# KiCad board ddr4-datacenter-tester.kicad_pcb (continued)
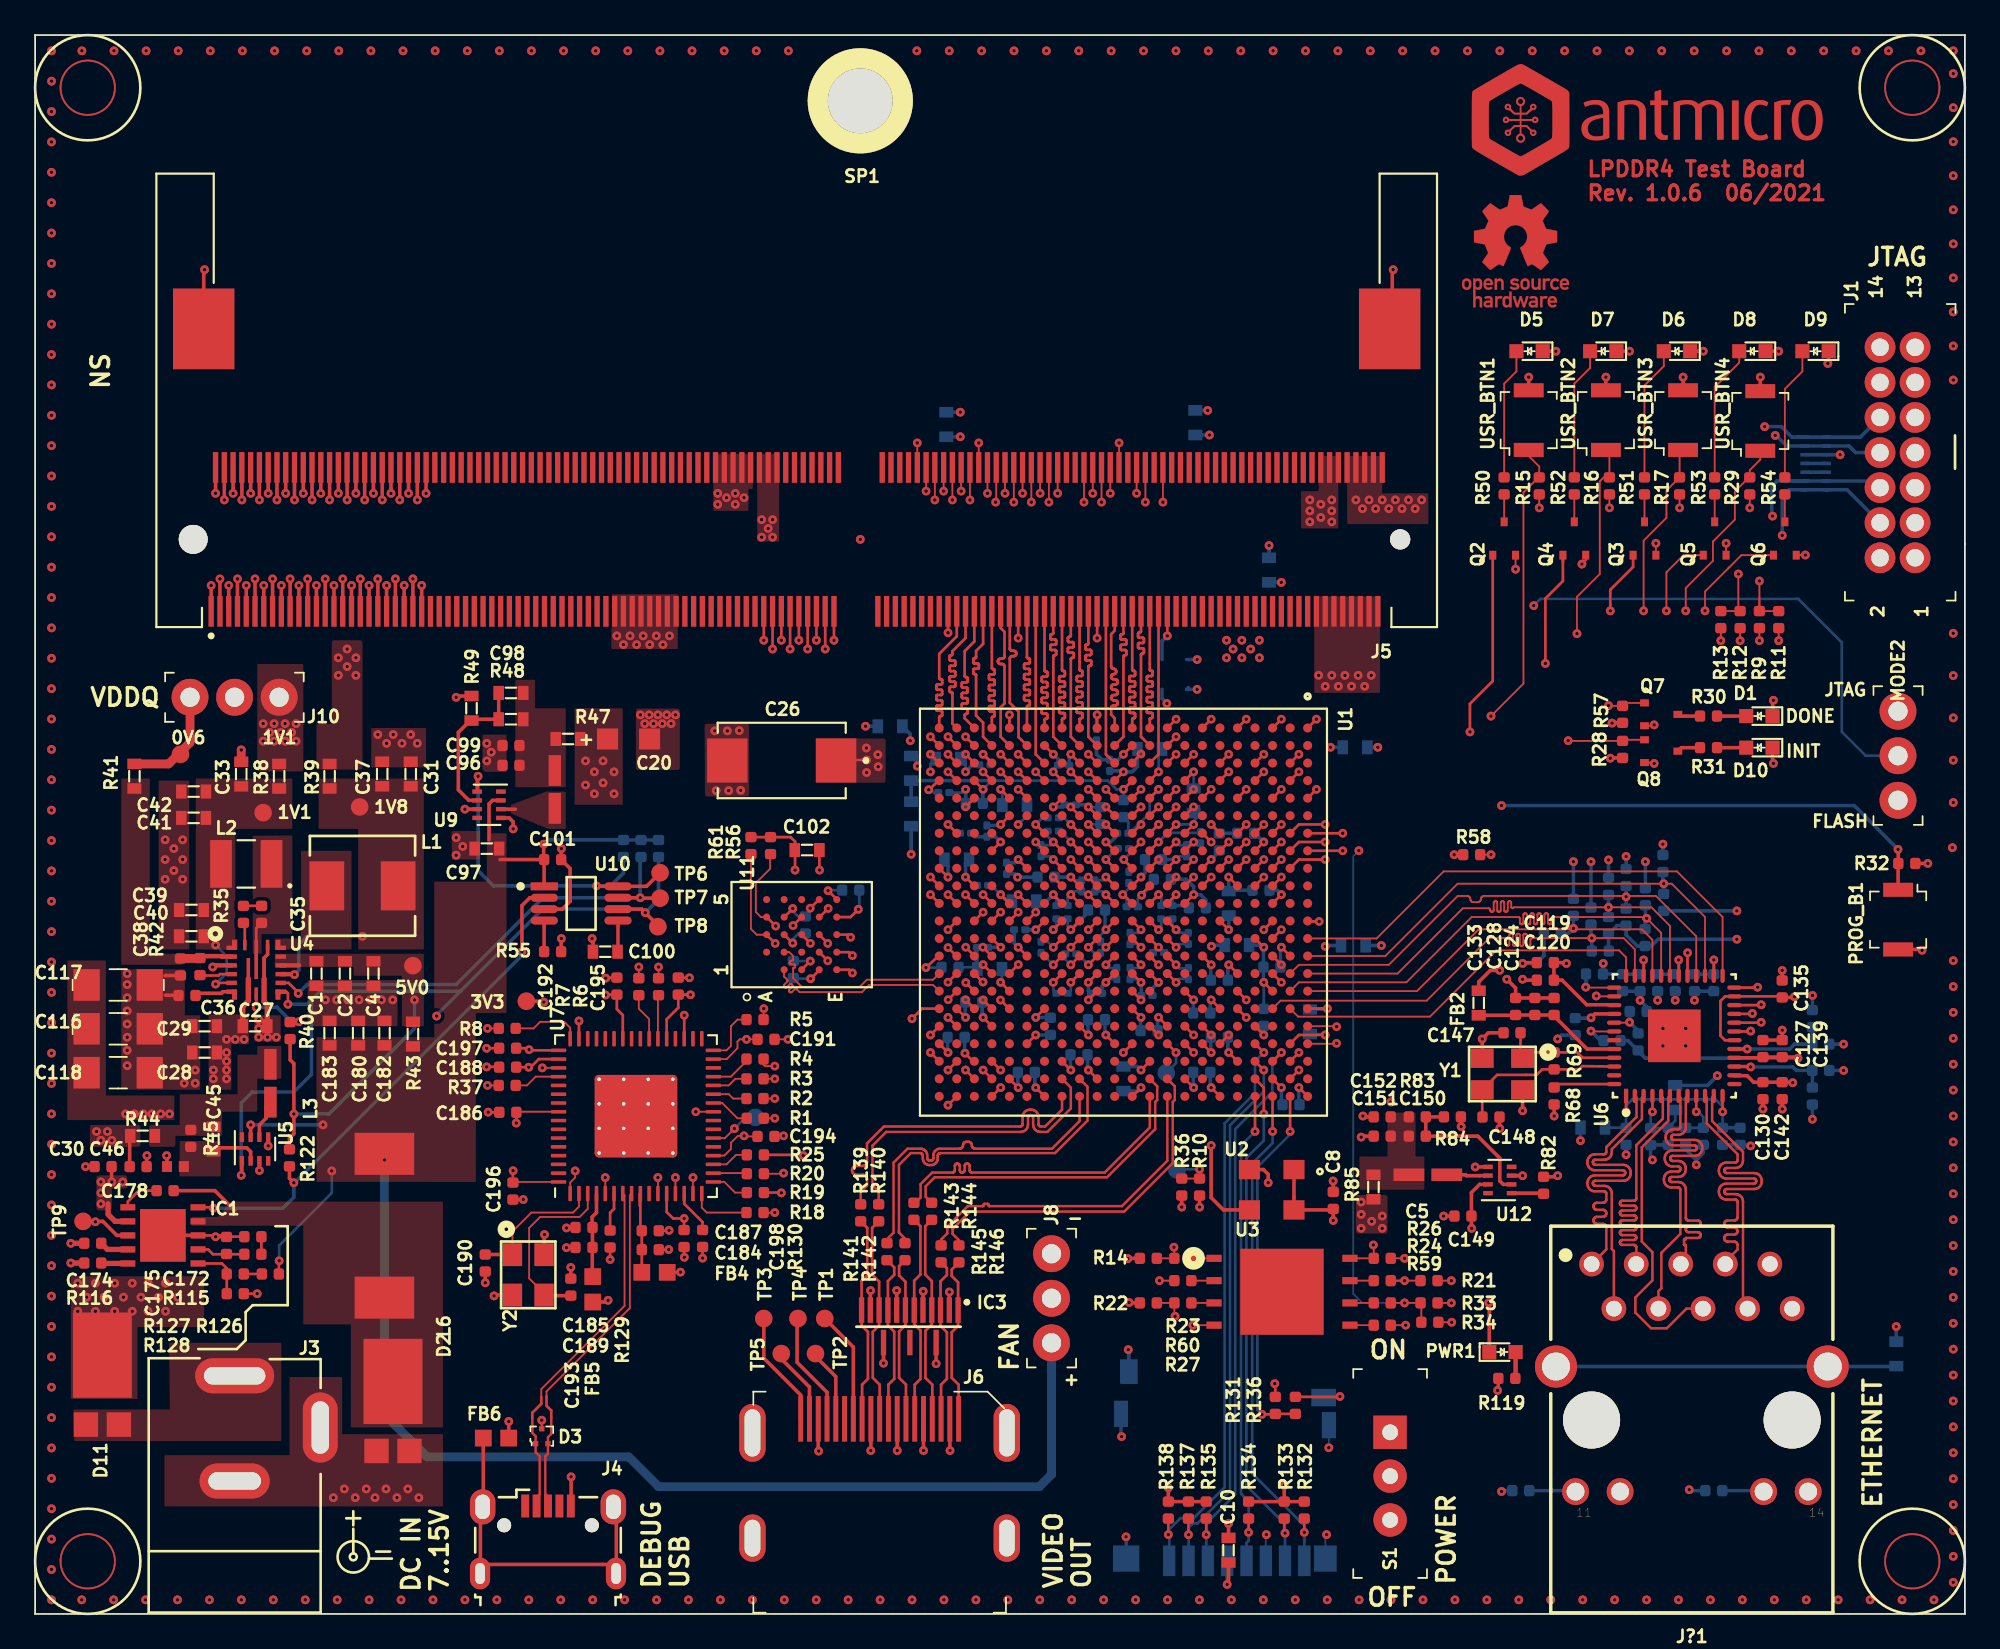
[diagram p0: board, top side]
## Placement (name value [footprint] x y rotation side) (continued)

## Library data of the parts
L1 = -: Field4: *

## Footprints (pads in the part's own frame, mm; a bottom-side part is the same pattern mirrored in y, then rotated)
0201-res
  rrect 0.318x0.36 smd: (-0.345,0) (0.345,0)
  rrect 0.46x0.4 smd: 1(-0.32,0) 2(0.32,0)
0402
  rect 0.57x0.62 smd: 1(-0.48,0) 2(0.48,0)
0402-cap
  rrect 0.59x0.64 smd: 1(-0.485,0) 2(0.485,0)
0402-res
  rrect 0.59x0.64 smd: 1(-0.485,0) 2(0.485,0)
0603
  rect 0.95x0.95 smd: 1(-0.725,0) 2(0.725,0)
0603-cap
  rect 0.6x0.8 smd: 1(-0.7,0) 2(0.7,0)
0603-res
  rect 0.6x0.8 smd: 1(-0.7,0) 2(0.7,0)
1206-cap
  rect 1.5x1.8 smd: 1(-1.8,0) 2(1.8,0)
7499111121A
  round 3.25 hole 3.25 unplated: (-5.715,0) (5.715,0)
  round 1.408 hole 0.9: 1(5.715,-8.89) 2(4.445,-6.35) 3(3.175,-8.89) 4(1.905,-6.35) 5(0.635,-8.89) 6(-0.635,-6.35) 7(-1.905,-8.89) 8(-3.175,-6.35) 9(-4.445,-8.89) 10(-5.715,-6.35)
  round 1.53 hole 1.02: 11(6.63,4.08) 12(4.09,4.08) 13(-4.09,4.08) 14(-6.63,4.08)
  round 2.4 hole 1.6: Z1(-7.745,-3.05) Z2(7.745,-3.05)
9774050151
  round 6 hole 3.7: 1(-0.1,0)
ASFLMB-100.000MHZ-XY-T
  rect 1.2x1.1 smd: 1(-1.27,-1.15) 2(1.27,-1.15) 3(1.27,1.15) 4(-1.27,1.15)
BGA484C100P22X22_2300X2300X244N
  round 0.51 smd: A1(-10.5,10.5) A2(-9.5,10.5) A3(-8.5,10.5) A4(-7.5,10.5) A5(-6.5,10.5) A6(-5.5,10.5) A7(-4.5,10.5) A8(-3.5,10.5) A9(-2.5,10.5) A10(-1.5,10.5) A11(-0.5,10.5) A12(0.5,10.5) A13(1.5,10.5) A14(2.5,10.5) A15(3.5,10.5) A16(4.5,10.5) A17(5.5,10.5) A18(6.5,10.5) A19(7.5,10.5) A20(8.5,10.5) A21(9.5,10.5) A22(10.5,10.5) AA1(-10.5,-9.5) AA2(-9.5,-9.5) AA3(-8.5,-9.5) AA4(-7.5,-9.5) AA5(-6.5,-9.5) AA6(-5.5,-9.5) AA7(-4.5,-9.5) AA8(-3.5,-9.5) AA9(-2.5,-9.5) AA10(-1.5,-9.5) AA11(-0.5,-9.5) AA12(0.5,-9.5) AA13(1.5,-9.5) AA14(2.5,-9.5) AA15(3.5,-9.5) AA16(4.5,-9.5) AA17(5.5,-9.5) AA18(6.5,-9.5) AA19(7.5,-9.5) AA20(8.5,-9.5) AA21(9.5,-9.5) AA22(10.5,-9.5) AB1(-10.5,-10.5) AB2(-9.5,-10.5) AB3(-8.5,-10.5) AB4(-7.5,-10.5) AB5(-6.5,-10.5) AB6(-5.5,-10.5) AB7(-4.5,-10.5) AB8(-3.5,-10.5) AB9(-2.5,-10.5) AB10(-1.5,-10.5) AB11(-0.5,-10.5) AB12(0.5,-10.5) AB13(1.5,-10.5) AB14(2.5,-10.5) AB15(3.5,-10.5) AB16(4.5,-10.5) AB17(5.5,-10.5) AB18(6.5,-10.5) AB19(7.5,-10.5) AB20(8.5,-10.5) AB21(9.5,-10.5) AB22(10.5,-10.5) B1(-10.5,9.5) B2(-9.5,9.5) B3(-8.5,9.5) B4(-7.5,9.5) B5(-6.5,9.5) B6(-5.5,9.5) B7(-4.5,9.5) B8(-3.5,9.5) B9(-2.5,9.5) B10(-1.5,9.5) B11(-0.5,9.5) B12(0.5,9.5) B13(1.5,9.5) B14(2.5,9.5) B15(3.5,9.5) B16(4.5,9.5) B17(5.5,9.5) B18(6.5,9.5) B19(7.5,9.5) B20(8.5,9.5) B21(9.5,9.5) B22(10.5,9.5) C1(-10.5,8.5) C2(-9.5,8.5) C3(-8.5,8.5) C4(-7.5,8.5) C5(-6.5,8.5) C6(-5.5,8.5) C7(-4.5,8.5) C8(-3.5,8.5) C9(-2.5,8.5) C10(-1.5,8.5) C11(-0.5,8.5) C12(0.5,8.5) C13(1.5,8.5) C14(2.5,8.5) C15(3.5,8.5) C16(4.5,8.5) C17(5.5,8.5) C18(6.5,8.5) C19(7.5,8.5) C20(8.5,8.5) C21(9.5,8.5) C22(10.5,8.5) D1(-10.5,7.5) D2(-9.5,7.5) D3(-8.5,7.5) D4(-7.5,7.5) D5(-6.5,7.5) D6(-5.5,7.5) D7(-4.5,7.5) D8(-3.5,7.5) D9(-2.5,7.5) D10(-1.5,7.5) D11(-0.5,7.5) D12(0.5,7.5) D13(1.5,7.5) D14(2.5,7.5) D15(3.5,7.5) D16(4.5,7.5) D17(5.5,7.5) D18(6.5,7.5) D19(7.5,7.5) D20(8.5,7.5) D21(9.5,7.5) D22(10.5,7.5) E1(-10.5,6.5) E2(-9.5,6.5) E3(-8.5,6.5) E4(-7.5,6.5) E5(-6.5,6.5) E6(-5.5,6.5) E7(-4.5,6.5) E8(-3.5,6.5) E9(-2.5,6.5) E10(-1.5,6.5) E11(-0.5,6.5) E12(0.5,6.5) E13(1.5,6.5) E14(2.5,6.5) E15(3.5,6.5) E16(4.5,6.5) E17(5.5,6.5) E18(6.5,6.5) E19(7.5,6.5) E20(8.5,6.5) E21(9.5,6.5) E22(10.5,6.5) F1(-10.5,5.5) F2(-9.5,5.5) F3(-8.5,5.5) F4(-7.5,5.5) F5(-6.5,5.5) F6(-5.5,5.5) F7(-4.5,5.5) F8(-3.5,5.5) F9(-2.5,5.5) F10(-1.5,5.5) F11(-0.5,5.5) F12(0.5,5.5) F13(1.5,5.5) F14(2.5,5.5) F15(3.5,5.5) F16(4.5,5.5) F17(5.5,5.5) F18(6.5,5.5) F19(7.5,5.5) F20(8.5,5.5) F21(9.5,5.5) F22(10.5,5.5) G1(-10.5,4.5) G2(-9.5,4.5) G3(-8.5,4.5) G4(-7.5,4.5) G5(-6.5,4.5) G6(-5.5,4.5) G7(-4.5,4.5) G8(-3.5,4.5) G9(-2.5,4.5) G10(-1.5,4.5) G11(-0.5,4.5) G12(0.5,4.5) G13(1.5,4.5) G14(2.5,4.5) G15(3.5,4.5) G16(4.5,4.5) G17(5.5,4.5) G18(6.5,4.5) G19(7.5,4.5) G20(8.5,4.5) G21(9.5,4.5) G22(10.5,4.5) H1(-10.5,3.5) H2(-9.5,3.5) H3(-8.5,3.5) H4(-7.5,3.5) H5(-6.5,3.5) H6(-5.5,3.5) H7(-4.5,3.5) H8(-3.5,3.5) H9(-2.5,3.5) H10(-1.5,3.5) H11(-0.5,3.5) H12(0.5,3.5) H13(1.5,3.5) H14(2.5,3.5) H15(3.5,3.5) H16(4.5,3.5) H17(5.5,3.5) H18(6.5,3.5) H19(7.5,3.5) H20(8.5,3.5) H21(9.5,3.5) H22(10.5,3.5) J1(-10.5,2.5) J2(-9.5,2.5) J3(-8.5,2.5) J4(-7.5,2.5) J5(-6.5,2.5) J6(-5.5,2.5) J7(-4.5,2.5) J8(-3.5,2.5) J9(-2.5,2.5) J10(-1.5,2.5) J11(-0.5,2.5) J12(0.5,2.5) J13(1.5,2.5) J14(2.5,2.5) J15(3.5,2.5) J16(4.5,2.5) J17(5.5,2.5) J18(6.5,2.5) J19(7.5,2.5) J20(8.5,2.5) J21(9.5,2.5) J22(10.5,2.5) K1(-10.5,1.5) K2(-9.5,1.5) K3(-8.5,1.5) K4(-7.5,1.5) K5(-6.5,1.5) K6(-5.5,1.5) K7(-4.5,1.5) K8(-3.5,1.5) K9(-2.5,1.5) K10(-1.5,1.5) K11(-0.5,1.5) K12(0.5,1.5) K13(1.5,1.5) K14(2.5,1.5) K15(3.5,1.5) K16(4.5,1.5) K17(5.5,1.5) K18(6.5,1.5) K19(7.5,1.5) K20(8.5,1.5) K21(9.5,1.5) K22(10.5,1.5) L1(-10.5,0.5) L2(-9.5,0.5) L3(-8.5,0.5) L4(-7.5,0.5) L5(-6.5,0.5) L6(-5.5,0.5) L7(-4.5,0.5) L8(-3.5,0.5) L9(-2.5,0.5) L10(-1.5,0.5) L11(-0.5,0.5) L12(0.5,0.5) L13(1.5,0.5) L14(2.5,0.5) L15(3.5,0.5) L16(4.5,0.5) L17(5.5,0.5) L18(6.5,0.5) L19(7.5,0.5) L20(8.5,0.5) L21(9.5,0.5) L22(10.5,0.5) M1(-10.5,-0.5) M2(-9.5,-0.5) M3(-8.5,-0.5) M4(-7.5,-0.5) M5(-6.5,-0.5) M6(-5.5,-0.5) M7(-4.5,-0.5) M8(-3.5,-0.5) M9(-2.5,-0.5) M10(-1.5,-0.5) M11(-0.5,-0.5) M12(0.5,-0.5) M13(1.5,-0.5) M14(2.5,-0.5) M15(3.5,-0.5) M16(4.5,-0.5) M17(5.5,-0.5) M18(6.5,-0.5) M19(7.5,-0.5) M20(8.5,-0.5) M21(9.5,-0.5) M22(10.5,-0.5) N1(-10.5,-1.5) N2(-9.5,-1.5) N3(-8.5,-1.5) N4(-7.5,-1.5) N5(-6.5,-1.5) N6(-5.5,-1.5) N7(-4.5,-1.5) N8(-3.5,-1.5) N9(-2.5,-1.5) N10(-1.5,-1.5) N11(-0.5,-1.5) N12(0.5,-1.5) N13(1.5,-1.5) N14(2.5,-1.5) N15(3.5,-1.5) N16(4.5,-1.5) N17(5.5,-1.5) N18(6.5,-1.5) N19(7.5,-1.5) N20(8.5,-1.5) N21(9.5,-1.5) N22(10.5,-1.5) P1(-10.5,-2.5) P2(-9.5,-2.5) P3(-8.5,-2.5) P4(-7.5,-2.5) P5(-6.5,-2.5) P6(-5.5,-2.5) P7(-4.5,-2.5) P8(-3.5,-2.5) P9(-2.5,-2.5) P10(-1.5,-2.5) P11(-0.5,-2.5) P12(0.5,-2.5) P13(1.5,-2.5) P14(2.5,-2.5) P15(3.5,-2.5) P16(4.5,-2.5) P17(5.5,-2.5) P18(6.5,-2.5) P19(7.5,-2.5) P20(8.5,-2.5) P21(9.5,-2.5) P22(10.5,-2.5) R1(-10.5,-3.5) R2(-9.5,-3.5) R3(-8.5,-3.5) R4(-7.5,-3.5) R5(-6.5,-3.5) R6(-5.5,-3.5) R7(-4.5,-3.5) R8(-3.5,-3.5) R9(-2.5,-3.5) R10(-1.5,-3.5) R11(-0.5,-3.5) R12(0.5,-3.5) R13(1.5,-3.5) R14(2.5,-3.5) R15(3.5,-3.5) R16(4.5,-3.5) R17(5.5,-3.5) R18(6.5,-3.5) R19(7.5,-3.5) R20(8.5,-3.5) R21(9.5,-3.5) R22(10.5,-3.5) T1(-10.5,-4.5) T2(-9.5,-4.5) T3(-8.5,-4.5) T4(-7.5,-4.5) T5(-6.5,-4.5) T6(-5.5,-4.5) T7(-4.5,-4.5) T8(-3.5,-4.5) T9(-2.5,-4.5) T10(-1.5,-4.5) T11(-0.5,-4.5) T12(0.5,-4.5) T13(1.5,-4.5) T14(2.5,-4.5) T15(3.5,-4.5) T16(4.5,-4.5) T17(5.5,-4.5) T18(6.5,-4.5) T19(7.5,-4.5) T20(8.5,-4.5) T21(9.5,-4.5) T22(10.5,-4.5) U1(-10.5,-5.5) U2(-9.5,-5.5) U3(-8.5,-5.5) U4(-7.5,-5.5) U5(-6.5,-5.5) U6(-5.5,-5.5) U7(-4.5,-5.5) U8(-3.5,-5.5) U9(-2.5,-5.5) U10(-1.5,-5.5) U11(-0.5,-5.5) U12(0.5,-5.5) U13(1.5,-5.5) U14(2.5,-5.5) U15(3.5,-5.5) U16(4.5,-5.5) U17(5.5,-5.5) U18(6.5,-5.5) U19(7.5,-5.5) U20(8.5,-5.5) U21(9.5,-5.5) U22(10.5,-5.5) V1(-10.5,-6.5) V2(-9.5,-6.5) V3(-8.5,-6.5) V4(-7.5,-6.5) V5(-6.5,-6.5) V6(-5.5,-6.5) V7(-4.5,-6.5) V8(-3.5,-6.5) V9(-2.5,-6.5) V10(-1.5,-6.5) V11(-0.5,-6.5) V12(0.5,-6.5) V13(1.5,-6.5) V14(2.5,-6.5) V15(3.5,-6.5) V16(4.5,-6.5) V17(5.5,-6.5) V18(6.5,-6.5) V19(7.5,-6.5) V20(8.5,-6.5) V21(9.5,-6.5) V22(10.5,-6.5) W1(-10.5,-7.5) W2(-9.5,-7.5) W3(-8.5,-7.5) W4(-7.5,-7.5) W5(-6.5,-7.5) W6(-5.5,-7.5) W7(-4.5,-7.5) W8(-3.5,-7.5) W9(-2.5,-7.5) W10(-1.5,-7.5) W11(-0.5,-7.5) W12(0.5,-7.5) W13(1.5,-7.5) W14(2.5,-7.5) W15(3.5,-7.5) W16(4.5,-7.5) W17(5.5,-7.5) W18(6.5,-7.5) W19(7.5,-7.5) W20(8.5,-7.5) W21(9.5,-7.5) W22(10.5,-7.5) Y1(-10.5,-8.5) Y2(-9.5,-8.5) Y3(-8.5,-8.5) Y4(-7.5,-8.5) Y5(-6.5,-8.5) Y6(-5.5,-8.5) Y7(-4.5,-8.5) Y8(-3.5,-8.5) Y9(-2.5,-8.5) Y10(-1.5,-8.5) Y11(-0.5,-8.5) Y12(0.5,-8.5) Y13(1.5,-8.5) Y14(2.5,-8.5) Y15(3.5,-8.5) Y16(4.5,-8.5) Y17(5.5,-8.5) Y18(6.5,-8.5) Y19(7.5,-8.5) Y20(8.5,-8.5) Y21(9.5,-8.5) Y22(10.5,-8.5)
DC_SOCKET
  oval 4.5x2 hole 3.5x1: 1(0,13.7)
  oval 1.99x4 hole 1x3: 2(4.88,10.75)
  oval 4x2 hole 3x1: 3(0,7.7)
FBGA-24
  round 0.4 smd: A2(-1,2) A3(0,2) A4(1,2) A5(2,2) B1(-2,1) B2(-1,1) B3(0,1) B4(1,1) B5(2,1) C1(-2,0) C2(-1,0) C3(0,0) C4(1,0) C5(2,0) D1(-2,-1) D2(-1,-1) D3(0,-1) D4(1,-1) D5(2,-1) E1(-2,-2) E2(-1,-2) E3(0,-2) E4(1,-2) E5(2,-2)
FT4232HQ
  rrect 1.263x1.263 smd: (-1.4,1.4) (-1.4,0) (-1.4,-1.4) (0,1.4) (0,0) (0,-1.4) (1.4,1.4) (1.4,0) (1.4,-1.4)
  rrect 0.875x0.2 smd: 1(-4.412,3.75) 2(-4.412,3.25) 3(-4.412,2.75) 4(-4.412,2.25) 5(-4.412,1.75) 6(-4.412,1.25) 7(-4.412,0.75) 8(-4.412,0.25) 9(-4.412,-0.25) 10(-4.412,-0.75) 11(-4.412,-1.25) 12(-4.412,-1.75) 13(-4.412,-2.25) 14(-4.412,-2.75) 15(-4.412,-3.25) 16(-4.412,-3.75) 33(4.412,-3.75) 34(4.412,-3.25) 35(4.412,-2.75) 36(4.412,-2.25) 37(4.412,-1.75) 38(4.412,-1.25) 39(4.412,-0.75) 40(4.412,-0.25) 41(4.412,0.25) 42(4.412,0.75) 43(4.412,1.25) 44(4.412,1.75) 45(4.412,2.25) 46(4.412,2.75) 47(4.412,3.25) 48(4.412,3.75)
  rrect 0.2x0.875 smd: 17(-3.75,-4.412) 18(-3.25,-4.412) 19(-2.75,-4.412) 20(-2.25,-4.412) 21(-1.75,-4.412) 22(-1.25,-4.412) 23(-0.75,-4.412) 24(-0.25,-4.412) 25(0.25,-4.412) 26(0.75,-4.412) 27(1.25,-4.412) 28(1.75,-4.412) 29(2.25,-4.412) 30(2.75,-4.412) 31(3.25,-4.412) 32(3.75,-4.412) 49(3.75,4.412) 50(3.25,4.412) 51(2.75,4.412) 52(2.25,4.412) 53(1.75,4.412) 54(1.25,4.412) 55(0.75,4.412) 56(0.25,4.412) 57(-0.25,4.412) 58(-0.75,4.412) 59(-1.25,4.412) 60(-1.75,4.412) 61(-2.25,4.412) 62(-2.75,4.412) 63(-3.25,4.412) 64(-3.75,4.412)
  round 0.5 hole 0.2: 65(-2.1,2.1) 65(-2.1,0.7) 65(-2.1,-0.7) 65(-2.1,-2.1) 65(-0.7,2.1) 65(-0.7,0.7) 65(-0.7,-0.7) 65(-0.7,-2.1) 65(0.7,2.1) 65(0.7,0.7) 65(0.7,-0.7) 65(0.7,-2.1) 65(2.1,2.1) 65(2.1,0.7) 65(2.1,-0.7) 65(2.1,-2.1)
  rrect 4.7x4.7 smd: 65(0,0)
  rrect 4.7x4.7 smd far side: 65(0,0)
HDMI_A_Female_685119134923
  rect 0.28x2.6 smd: 1(-4.5,-1.3) 2(-4,-1.3) 3(-3.5,-1.3) 4(-3,-1.3) 5(-2.5,-1.3) 6(-2,-1.3) 7(-1.5,-1.3) 8(-1,-1.3) 9(-0.5,-1.3) 10(0,-1.3) 11(0.5,-1.3) 12(1,-1.3) 13(1.5,-1.3) 14(2,-1.3) 15(2.5,-1.3) 16(3,-1.3) 17(3.5,-1.3) 18(4,-1.3) 19(4.5,-1.3)
  oval 1.5x2.7 hole 0.9x2.1: SH(-7.25,5.5) SH(7.25,5.5)
  oval 1.5x3.3 hole 0.9x2.7: SH(-7.25,-0.5) SH(7.25,-0.5)
IHLP2020BZER4R7M01
  rect 1.981x2.794 smd: 1(-2.032,0) 2(2.032,0)
IHLP-1212AE
  rect 1.753x0.711 smd: 1(-1.079,0) 2(1.079,0)
INDC3225X120N
  rect 1.24x2.72 smd: 1(-1.44,0) 2(1.44,0)
KEMET_A
  rect 1.2x1.2 smd: 1(0.005,0) 2(2.4,0)
KEMET_D
  rect 2.31x2.52 smd: 1(-3.1,0) 2(3.1,0)
KX-7
  rect 1.3x1.1 smd: 1(-1.1,-0.95) 2(1.2,-0.95) 3(1.2,0.85) 4(-1.1,0.85)
LED_0603
  rect 0.8x0.8 smd: 1(-0.75,0) 2(0.75,0)
MicroSD_1140084168
  rect 0.7x1.75 smd: 1(3.125,-5.304) 2(2.025,-5.304) 3(0.925,-5.304) 4(-0.175,-5.304) 5(-1.275,-5.304) 6(-2.375,-5.304) 7(-3.475,-5.304) 8(-4.575,-5.304)
  rect 1.4x1 smd: 9(-5.675,4)
  rect 1x1.4 smd: 10(5.425,5.48)
  rect 0.8x1.5 smd: ~(-5.975,2.43) ~(5.875,3.08)
  rect 1.3x1.5 smd: ~(-5.775,-5.18)
  rect 1.5x1.5 smd: ~(5.575,-5.18)
PDS760-13
  rect 1.4x1.39 smd: A(3.462,0.84) A(3.462,-1.04)
  rect 4.86x3.36 smd: C(-0.5,-0.1)
PinHeader_1x3_P2.54_Drill1.1mm
  round 2.1 hole 1.1: 1(0,0) 2(2.54,0) 3(5.08,0)
PinHeader_2x7_P2mm_Drill1mm
  round 1.75 hole 1: 1(0,0) 2(0,-2) 3(-2,0) 4(-2,-2) 5(-4,0) 6(-4,-2) 7(-6,0) 8(-6,-2) 9(-8,0) 10(-8,-2) 11(-10,0) 12(-10,-2) 13(-12,0) 14(-12,-2)
QFN-8_2x1mm
  rect 0.55x0.25 smd: 1(-0.675,0.75) 2(-0.675,0.25) 3(-0.675,-0.25) 4(-0.675,-0.75) 5(0.675,-0.75) 6(0.675,-0.25) 7(0.675,0.25) 8(0.675,0.75)
QFN-48-Microchip-QFN77-48LD-PL-2
  rect 0.818x0.242 smd: 1(-3.427,2.75)
  rrect 0.818x0.242 smd: 2(-3.427,2.25) 3(-3.427,1.75) 4(-3.427,1.25) 5(-3.427,0.75) 6(-3.427,0.25) 7(-3.427,-0.25) 8(-3.427,-0.75) 9(-3.427,-1.25) 10(-3.427,-1.75) 11(-3.427,-2.25) 12(-3.427,-2.75) 25(3.427,-2.75) 26(3.427,-2.25) 27(3.427,-1.75) 28(3.427,-1.25) 29(3.427,-0.75) 30(3.427,-0.25) 31(3.427,0.25) 32(3.427,0.75) 33(3.427,1.25) 34(3.427,1.75) 35(3.427,2.25) 36(3.427,2.75)
  rrect 0.242x0.818 smd: 13(-2.75,-3.427) 14(-2.25,-3.427) 15(-1.75,-3.427) 16(-1.25,-3.427) 17(-0.75,-3.427) 18(-0.25,-3.427) 19(0.25,-3.427) 20(0.75,-3.427) 21(1.25,-3.427) 22(1.75,-3.427) 23(2.25,-3.427) 24(2.75,-3.427) 37(2.75,3.427) 38(2.25,3.427) 39(1.75,3.427) 40(1.25,3.427) 41(0.75,3.427) 42(0.25,3.427) 43(-0.25,3.427) 44(-0.75,3.427) 45(-1.25,3.427) 46(-1.75,3.427) 47(-2.25,3.427) 48(-2.75,3.427)
  rect 3x3 smd: 49(0,0)
R-PDSO-N15
  rect 0.3x1.45 smd: 1(-2.75,-1.75) 2(-2.25,-1.75) 3(-1.75,-1.75) 4(-1.25,-1.75) 5(-0.75,-1.75) 6(-0.25,-1.75) 7(0.25,-1.75) 8(0.75,-1.75) 9(1.25,-1.75) 10(1.75,-1.75) 11(2.25,-1.75) 12(2.75,-1.75) 13(1.5,0.1) 14(0,0.1) 15(-1.5,0.1)
S25FL128SAGNFI000
  rect 0.864x0.406 smd: 1(-3.873,1.905) 2(-3.873,0.635) 3(-3.873,-0.635) 4(-3.873,-1.905) 5(3.873,-1.905) 6(3.873,-0.635) 7(3.873,0.635) 8(3.873,1.905)
  rect 4.75x4.902 smd: 9(0,0)
SC70-3
  rect 0.5x0.4 smd: 1(-0.95,0.65) 2(-0.95,-0.65) 3(0.95,0)
SOT-3
  rect 0.3x0.3 smd: 1(-0.35,-0.425) 2(0.35,-0.425) 3(0,0.425)
Switch_Slide_11.6x4mm_EG1218
  rect 1.9x1.9 hole 0.9: 1(0,0)
  round 1.9 hole 0.9: 2(2.5,0) 3(5,0)
Switch_Tactile_SMD_B3U-1000P
  rect 0.8x1.7 smd: 1(-1.7,0) 2(1.7,0)
TE_2309409-1
  round 1.15 hole 1.15 unplated: (-30.9,0)
  round 1.65 hole 1.65 unplated: (37.9,0)
  rect 0.3x1.75 smd: 1(36.875,4.1) 2(36.625,-4.1) 3(36.375,4.1) 4(36.125,-4.1) 5(35.875,4.1) 6(35.625,-4.1) 7(35.375,4.1) 8(35.125,-4.1) 9(34.875,4.1) 10(34.625,-4.1) 11(34.375,4.1) 12(34.125,-4.1) 13(33.875,4.1) 14(33.625,-4.1) 15(33.375,4.1) 16(33.125,-4.1) 17(32.875,4.1) 18(32.625,-4.1) 19(32.375,4.1) 20(32.125,-4.1) 21(31.875,4.1) 22(31.625,-4.1) 23(31.375,4.1) 24(31.125,-4.1) 25(30.875,4.1) 26(30.625,-4.1) 27(30.375,4.1) 28(30.125,-4.1) 29(29.875,4.1) 30(29.625,-4.1) 31(29.375,4.1) 32(29.125,-4.1) 33(28.875,4.1) 34(28.625,-4.1) 35(28.375,4.1) 36(28.125,-4.1) 37(27.875,4.1) 38(27.625,-4.1) 39(27.375,4.1) 40(27.125,-4.1) 41(26.875,4.1) 42(26.625,-4.1) 43(26.375,4.1) 44(26.125,-4.1) 45(25.875,4.1) 46(25.625,-4.1) 47(25.375,4.1) 48(25.125,-4.1) 49(24.875,4.1) 50(24.625,-4.1) 51(24.375,4.1) 52(24.125,-4.1) 53(23.875,4.1) 54(23.625,-4.1) 55(23.375,4.1) 56(23.125,-4.1) 57(22.875,4.1) 58(22.625,-4.1) 59(22.375,4.1) 60(22.125,-4.1) 61(21.875,4.1) 62(21.625,-4.1) 63(21.375,4.1) 64(21.125,-4.1) 65(20.875,4.1) 66(20.625,-4.1) 67(20.375,4.1) 68(20.125,-4.1) 69(19.875,4.1) 70(19.625,-4.1) 71(19.375,4.1) 72(19.125,-4.1) 73(18.875,4.1) 74(18.625,-4.1) 75(18.375,4.1) 76(18.125,-4.1) 77(17.875,4.1) 78(17.625,-4.1) 79(17.375,4.1) 80(17.125,-4.1) 81(16.875,4.1) 82(16.625,-4.1) 83(16.375,4.1) 84(16.125,-4.1) 85(15.875,4.1) 86(15.625,-4.1) 87(15.375,4.1) 88(15.125,-4.1) 89(14.875,4.1) 90(14.625,-4.1) 91(14.375,4.1) 92(14.125,-4.1) 93(13.875,4.1) 94(13.625,-4.1) 95(13.375,4.1) 96(13.125,-4.1) 97(12.875,4.1) 98(12.625,-4.1) 99(12.375,4.1) 100(12.125,-4.1) 101(11.875,4.1) 102(11.625,-4.1) 103(11.375,4.1) 104(11.125,-4.1) 105(10.875,4.1) 106(10.625,-4.1) 107(10.375,4.1) 108(10.125,-4.1) 109(9.875,4.1) 110(9.625,-4.1) 111(9.375,4.1) 112(9.125,-4.1) 113(8.875,4.1) 114(8.625,-4.1) 115(8.375,4.1) 116(8.125,-4.1) 117(7.875,4.1) 118(7.625,-4.1) 119(7.375,4.1) 120(7.125,-4.1) 121(6.875,4.1) 122(6.625,-4.1) 123(6.375,4.1) 124(6.125,-4.1) 125(5.875,4.1) 126(5.625,-4.1) 127(5.375,4.1) 128(5.125,-4.1) 129(4.875,4.1) 130(4.625,-4.1) 131(4.375,4.1) 132(4.125,-4.1) 133(3.875,4.1) 134(3.625,-4.1) 135(3.375,4.1) 136(3.125,-4.1) 137(2.875,4.1) 138(2.625,-4.1) 139(2.375,4.1) 140(2.125,-4.1) 141(1.875,4.1) 142(1.625,-4.1) 143(1.375,4.1) 144(1.125,-4.1) 145(-1.125,4.1) 146(-1.375,-4.1) 147(-1.625,4.1) 148(-1.875,-4.1) 149(-2.125,4.1) 150(-2.375,-4.1) 151(-2.625,4.1) 152(-2.875,-4.1) 153(-3.125,4.1) 154(-3.375,-4.1) 155(-3.625,4.1) 156(-3.875,-4.1) 157(-4.125,4.1) 158(-4.375,-4.1) 159(-4.625,4.1) 160(-4.875,-4.1) 161(-5.125,4.1) 162(-5.375,-4.1) 163(-5.625,4.1) 164(-5.875,-4.1) 165(-6.125,4.1) 166(-6.375,-4.1) 167(-6.625,4.1) 168(-6.875,-4.1) 169(-7.125,4.1) 170(-7.375,-4.1) 171(-7.625,4.1) 172(-7.875,-4.1) 173(-8.125,4.1) 174(-8.375,-4.1) 175(-8.625,4.1) 176(-8.875,-4.1) 177(-9.125,4.1) 178(-9.375,-4.1) 179(-9.625,4.1) 180(-9.875,-4.1) 181(-10.125,4.1) 182(-10.375,-4.1) 183(-10.625,4.1) 184(-10.875,-4.1) 185(-11.125,4.1) 186(-11.375,-4.1) 187(-11.625,4.1) 188(-11.875,-4.1) 189(-12.125,4.1) 190(-12.375,-4.1) 191(-12.625,4.1) 192(-12.875,-4.1) 193(-13.125,4.1) 194(-13.375,-4.1) 195(-13.625,4.1) 196(-13.875,-4.1) 197(-14.125,4.1) 198(-14.375,-4.1) 199(-14.625,4.1) 200(-14.875,-4.1) 201(-15.125,4.1) 202(-15.375,-4.1) 203(-15.625,4.1) 204(-15.875,-4.1) 205(-16.125,4.1) 206(-16.375,-4.1) 207(-16.625,4.1) 208(-16.875,-4.1) 209(-17.125,4.1) 210(-17.375,-4.1) 211(-17.625,4.1) 212(-17.875,-4.1) 213(-18.125,4.1) 214(-18.375,-4.1) 215(-18.625,4.1) 216(-18.875,-4.1) 217(-19.125,4.1) 218(-19.375,-4.1) 219(-19.625,4.1) 220(-19.875,-4.1) 221(-20.125,4.1) 222(-20.375,-4.1) 223(-20.625,4.1) 224(-20.875,-4.1) 225(-21.125,4.1) 226(-21.375,-4.1) 227(-21.625,4.1) 228(-21.875,-4.1) 229(-22.125,4.1) 230(-22.375,-4.1) 231(-22.625,4.1) 232(-22.875,-4.1) 233(-23.125,4.1) 234(-23.375,-4.1) 235(-23.625,4.1) 236(-23.875,-4.1) 237(-24.125,4.1) 238(-24.375,-4.1) 239(-24.625,4.1) 240(-24.875,-4.1) 241(-25.125,4.1) 242(-25.375,-4.1) 243(-25.625,4.1) 244(-25.875,-4.1) 245(-26.125,4.1) 246(-26.375,-4.1) 247(-26.625,4.1) 248(-26.875,-4.1) 249(-27.125,4.1) 250(-27.375,-4.1) 251(-27.625,4.1) 252(-27.875,-4.1) 253(-28.125,4.1) 254(-28.375,-4.1) 255(-28.625,4.1) 256(-28.875,-4.1) 257(-29.125,4.1) 258(-29.375,-4.1) 259(-29.625,4.1) 260(-29.875,-4.1)
  rect 3.5x4.6 smd: S1(37.3,-12) S2(-30.3,-12)
Testpoint_smd_1mm
  round 1 smd: 1(0,0.051)
TPD6E05U06
  rect 0.2x0.5 smd: 5(0.5,-0.625) 8(1.5,-0.625) 8(1.5,0.625) 9(1,-0.625) 9(1,0.625) 10(0.5,0.625) 11(0,-0.625) 11(0,0.625) 12(-0.5,-0.625) 12(-0.5,0.625) 13(-1,-0.625) 13(-1,0.625) 14(-1.5,-0.625) 14(-1.5,0.625)
USB_Micro_B_Female_629105150521
  oval 0.8x0.8 hole 0.8 unplated: (-2.5,0.8) (2.5,0.8)
  rect 0.45x1.3 smd: 1(-1.3,1.9) 2(-0.65,1.9) 3(0,1.9) 4(0.65,1.9) 5(1.3,1.9)
  oval 1.15x1.8 hole 0.55x1.2: 6(-3.875,-1.95) 6(3.875,-1.95)
  oval 1.45x2 hole 0.85x1.4: 6(-3.725,1.85) 6(3.725,1.85)
VQFN-HR
  rect 0.6x0.25 smd: 1(-1.4,2.61) 2(-1.4,2.11) 3(-1.4,1.61) 4(-1.4,1.11) 5(-1.4,0.61) 6(-1.4,0.11) 10(1.4,0.11) 11(1.4,0.61) 12(1.4,1.11) 13(1.4,1.61) 14(1.4,2.11) 15(1.4,2.61)
  rect 0.28x0.58 smd: 1(-1.24,2.78) 6(-1.24,-0.06) 10(1.24,-0.06) 15(1.24,2.78)
  rect 0.2x2.38 smd: 7(-0.45,0.84) 9(0.45,0.84)
  rect 0.2x0.7 smd: 8(0,0)
  rect 0.2x0.6 smd: 16(0.65,2.77) 18(-0.65,2.77)
  rect 0.2x2.243 smd: 17(0,1.95)
VSSOP8-Texas_Instruments-DGK0008A
  rect 1.557x0.458 smd: 1(-2.101,0.975)
  rrect 1.557x0.458 smd: 2(-2.101,0.325) 3(-2.101,-0.325) 4(-2.101,-0.975) 5(2.101,-0.975) 6(2.101,-0.325) 7(2.101,0.325) 8(2.101,0.975)
WE_7447798720
  rect 2.4x3.4 smd: 1(-4.1,0) 2(4.1,0)
WSON-10_4x4
  rect 0.85x0.356 smd: 1(-2,1.6) 2(-2,0.8) 3(-2,0) 4(-2,-0.8) 5(-2,-1.6) 6(2,-1.6) 7(2,-0.8) 8(2,0) 9(2,0.8) 10(2,1.6)
  rect 2.6x3 smd: 11(0,0)

## Nets
1V0_SYS: C14.1 C17.1 C20.1 C26.1 C50.1 C52.1 C54.1 C57.1 C58.1 C59.1 C60.1 C61.1 C62.1 C63.1 C64.1 C65.1 C66.1 C67.1 C68.1 C69.1 C70.1 C77.1 R47.1 U1.J9 U1.J11 U1.J13 U1.J15 U1.K8 U1.K14 U1.L9 U1.L13 U1.L15 U1.M8 U1.M14 U1.N9 U1.N13 U1.N15 U1.P14 U1.R13 U1.R15
1V1_SYS: J5.93 J5.95 J5.97 J5.99 J5.101 J5.103 J5.105 J5.107 J5.245 J5.247 J5.249 J5.251 J5.253 J5.255 J5.257 J5.259 J10.1 R38.2
1V8_FT: C195.1 C196.1 C197.1 C198.1 U7.12 U7.37 U7.49 U7.64
1V8_SYS: C7.1 C9.1 C11.1 C16.1 C19.1 C22.1 C25.1 C47.1 C48.1 C49.1 C51.1 C53.1 C55.1 C56.1 C110.1 C111.1 C113.1 J5.116 J5.118 J5.120 J5.122 J5.124 J5.252 J5.254 J5.256 J5.258 J5.260 R39.2 U1.K10 U1.K12 U1.M10 U1.P7 U1.P8 U1.P10 U1.P12 U1.R9 U1.R11
3V3_SYS: 3V3.1 C3.1 C5.1 C6.1 C8.1 C10.1 C12.1 C13.1 C15.1 C18.1 C46.1 C78.1 C79.1 C80.1 C81.1 C82.1 C83.1 C84.1 C85.1 C86.1 C87.1 C88.1 C89.1 C90.1 C91.1 C92.1 C93.1 C94.1 C95.1 C102.1 C103.1 C104.1 C105.1 C123.1 C127.1 C131.1 C136.1 C139.1 C186.1 C188.1 C191.1 C192.1 C194.1 D1.1 D5.1 D6.1 D7.1 D8.1 D9.1 D10.1 FB1.1 FB4.1 FB5.1 IC3.13 IC3.15 J1.2 J7.4 MODE2.3 PWR1.1 R9.2 R10.1 R12.2 R14.2 R15.1 R16.1 R17.1 R21.1 R22.1 R28.1 R29.1 R32.1 R33.1 R44.1 R56.1 R57.1 R58.1 R61.1 R62.2 R67.2 R70.2 R71.2 R72.2 R73.2 R74.2 R75.2 R76.2 R78.2 R79.2 R80.2 R81.2 R130.1 R131.1 R132.1 R133.1 R134.1 R135.1 R137.1 R138.1 U1.A17 U1.AA17 U1.AB14 U1.B14 U1.C11 U1.C21 U1.D8 U1.D18 U1.E15 U1.F12 U1.F22 U1.G9 U1.G19 U1.H16 U1.J7 U1.K20 U1.L17 U1.N7 U1.N21 U1.P18 U1.T22 U1.U19 U1.V16 U1.Y20 U2.1 U2.4 U3.8 U6.16 U6.34 U6.40 U7.20 U7.31 U7.42 U7.50 U7.56 U11.B4 U11.D1 U11.E4
/Ethernet/AVDDH: C132.1 C137.1 C140.1 FB1.2 U6.1 U6.12
/Ethernet/AVDDL: C121.1 C125.1 C129.1 C134.1 FB3.1 U6.4 U6.9
/Ethernet/AVDDL_PLL: C124.1 C128.1 C133.1 FB2.1 U6.44
/Supply/1V2_PG: U12.8
/Supply/VCC_AUX_EN: R87.2 TP7.1 U4.11 U10.7
/Supply/VCC_INT_EN: R86.2 TP6.1 U9.1 U10.8
/Supply/VCC_IO_EN: R82.2 R88.2 TP8.1 U4.10 U5.1 U10.6
GND: C1.2 C2.2 C3.2 C4.2 C5.2 C6.2 C7.2 C8.2 C9.2 C10.2 C11.2 C12.2 C13.2 C14.2 C15.2 C16.2 C17.2 C18.2 C19.2 C20.2 C21.2 C22.2 C23.2 C24.2 C25.2 C26.2 C27.2 C28.2 C29.2 C30.2 C31.2 C32.2 C33.2 C34.2 C36.2 C37.2 C38.2 C39.2 C40.2 C41.2 C42.2 C43.2 C44.2 C46.2 C47.2 C48.2 C49.2 C50.2 C51.2 C52.2 C53.2 C54.2 C55.2 C56.2 C57.2 C58.2 C59.2 C60.2 C61.2 C62.2 C63.2 C64.2 C65.2 C66.2 C67.2 C68.2 C69.2 C70.2 C71.2 C72.2 C73.2 C74.2 C75.2 C76.2 C77.2 C78.2 C79.2 C80.2 C81.2 C82.2 C83.2 C84.2 C85.2 C86.2 C87.2 C88.2 C89.2 C90.2 C91.2 C92.2 C93.2 C94.2 C95.2 C96.2 C97.2 C99.2 C100.1 C101.2 C102.2 C103.2 C104.2 C105.2 C106.2 C108.2 C109.2 C110.2 C111.2 C113.2 C114.2 C115.2 C116.2 C117.2 C118.2 C119.2 C120.2 C121.2 C122.2 C123.2 C124.2 C125.2 C126.2 C127.2 C128.2 C129.2 C130.2 C131.2 C132.2 C133.2 C134.2 C135.2 C136.2 C137.2 C138.2 C139.2 C140.2 C141.2 C142.2 C143.2 C147.2 C148.2 C149.2 C151.2 C152.2 C172.2 C174.2 C175.2 C180.2 C182.2 C183.2 C184.2 C185.2 C186.2 C187.2 C188.2 C189.2 C190.2 C191.2 C192.2 C193.2 C194.2 C195.2 C196.2 C197.2 C198.2 D2.A D3.3 D4.5 D4.10 FB6.1 FB7.2 IC1.8 IC1.11 IC3.2 IC3.5 IC3.8 IC3.11 J1.1 J1.3 J1.5 J1.7 J1.9 J1.11 J1.13 J3.2 J3.3 J4.5 J5.1 J5.2 J5.3 J5.4 J5.5 J5.6 J5.7 J5.8 J5.9 J5.10 J5.11 J5.12 J5.13 J5.14 J5.15 J5.16 J5.17 J5.18 J5.19 J5.20 J5.21 J5.22 J5.23 J5.24 J5.25 J5.26 J5.27 J5.28 J5.29 J5.30 J5.31 J5.32 J5.33 J5.34 J5.35 J5.36 J5.37 J5.38 J5.39 J5.40 J5.41 J5.42 J5.43 J5.44 J5.45 J5.46 J5.47 J5.48 J5.49 J5.50 J5.154 J5.161 J5.168 J5.177 J5.184 J5.195 J5.200 J5.210 J5.211 J5.S1 J5.S2 J6.2 J6.5 J6.8 J6.11 J6.17 J6.SH J7.6 J7.10 J7.~ J8.3 J?1.10 MODE2.1 PROG_B1.2 Q2.2 Q3.2 Q4.2 Q5.2 Q6.2 Q7.2 Q8.2 R11.2 R13.2 R34.2 R36.2 R46.2 R49.2 R55.2 R64.2 R66.2 R68.1 R77.2 R84.2 R89.2 R90.2 R91.2 R92.2 R93.2 R94.2 R95.2 R96.2 R116.1 R119.2 R128.2 R129.1 S1.3 U1.A1 U1.A5 U1.A7 U1.A12 U1.A22 U1.AA2 U1.AA12 U1.AA22 U1.AB9 U1.AB19 U1.B3 U1.B4 U1.B7 U1.B9 U1.B19 U1.C1 U1.C5 U1.C7 U1.C16 U1.D3 U1.D4 U1.D7 U1.D13 U1.E1 U1.E5 U1.E7 U1.E10 U1.E20 U1.F3 U1.F4 U1.F7 U1.F17 U1.G1 U1.G5 U1.G14 U1.H3 U1.H4 U1.H5 U1.H11 U1.H21 U1.J1 U1.J2 U1.J3 U1.J8 U1.J10 U1.J12 U1.J14 U1.J18 U1.K5 U1.K9 U1.K11 U1.K13 U1.K15 U1.L2 U1.L8 U1.L10 U1.L11 U1.L12 U1.L14 U1.L22 U1.M9 U1.M11 U1.M12 U1.M13 U1.M15 U1.M19 U1.N6 U1.N8 U1.N10 U1.N11 U1.N12 U1.N14 U1.N16 U1.P3 U1.P9 U1.P11 U1.P13 U1.P15 U1.R8 U1.R10 U1.R12 U1.R14 U1.R20 U1.T7 U1.T17 U1.U4 U1.U14 U1.V1 U1.V11 U1.V21 U1.W8 U1.W18 U1.Y5 U1.Y15 U2.2 U3.4 U4.3 U4.9 U4.16 U5.3 U5.5 U6.29 U6.49 U7.1 U7.5 U7.11 U7.13 U7.15 U7.25 U7.35 U7.47 U7.51 U7.65 U9.3 U9.5 U10.3 U11.B3 U11.C1 U11.E5 U12.3 U12.5 USR_BTN1.2 USR_BTN2.2 USR_BTN3.2 USR_BTN4.2 Y1.2 Y1.4 Y2.2 Y2.4
VBUS: J4.1
VCC1V2: C119.1 C120.1 C122.1 C126.1 C130.1 C135.1 C138.1 C141.1 C142.1 FB2.2 FB3.2 R85.1 U6.14 U6.18 U6.23 U6.26 U6.30 U6.39
VCC5V0: 5V0.1 C1.1 C2.1 C4.1 R40.2 R43.1 R122.1 U4.13 U4.14
VCC5V0_INT: C97.1 C101.1 C149.1 C180.1 C182.1 C183.1 J8.1 L6.2 R43.2 R86.1 R87.1 R88.1 R126.1 U5.7 U9.7 U10.1 U12.7
VDD0V6: 0V6.1 J10.3 R41.2
VDD1V1: 1V1.1 C33.1 C39.1 C40.1 C41.1 C42.1 L2.2 R38.1 U4.1 U4.5
VDD1V8: 1V8.1 C31.1 C37.1 L1.2 R39.1 U4.12
VDDQ: C21.1 C23.1 C24.1 C32.1 C34.1 C43.1 C44.1 C71.1 C72.1 C73.1 C74.1 C75.1 C76.1 C106.1 C108.1 C109.1 C143.1 J5.126 J5.128 J5.130 J5.246 J5.248 J5.250 J10.2 R63.2 R65.1 U1.AA7 U1.AB4 U1.M4 U1.N1 U1.R5 U1.T2 U1.T12 U1.U9 U1.V6 U1.W3 U1.W13 U1.Y10
VIN: C27.1 C28.1 C29.1 C30.1 C116.1 C117.1 C118.1 D11.C IC1.2 U4.7
/Ethernet/ETH1_N: J?1.2 U6.3
/Ethernet/ETH1_P: J?1.1 U6.2
/Ethernet/ETH2_N: J?1.6 U6.6
/Ethernet/ETH2_P: J?1.3 U6.5
/Ethernet/ETH3_N: J?1.5 U6.8
/Ethernet/ETH3_P: J?1.4 U6.7
/Ethernet/ETH4_N: J?1.8 U6.11
/Ethernet/ETH4_P: J?1.7 U6.10
/Supply/SYS_EN: IC1.3 S1.2 TP9.1
AUX_JTAG_RST: R5.2 U1.AB17
AUX_JTAG_TCK: R1.2 U1.W22
AUX_JTAG_TDI: R2.2 U1.W20
AUX_JTAG_TDO: R3.2 U1.W21
AUX_JTAG_TMS: R4.2 U1.Y21
C_TMDS_CLK_N: IC3.12 J6.12 R139.2
C_TMDS_CLK_P: IC3.10 J6.10 R140.2
C_TMDS_D0_N: IC3.9 J6.9 R141.2
C_TMDS_D0_P: IC3.7 J6.7 R142.2
C_TMDS_D1_N: IC3.6 J6.6 R143.2
C_TMDS_D1_P: IC3.4 J6.4 R144.2
C_TMDS_D2_N: IC3.3 J6.3 R145.2
C_TMDS_D2_P: IC3.1 J6.1 R146.2
CA2_A: J5.162 U1.AA4
CA3_A: J5.160 U1.AA3
CA4_A: J5.158 U1.AB3
CA5_A: J5.156 U1.AB2
CA_0A: J5.204 U1.L3
CA_1A: J5.206 U1.L5
CCLK: R24.2 R33.2 R34.1 U1.G7
CFGBVS: R58.2 U1.M7
CK_CA: J5.164 U1.Y2
CK_TA: J5.166 U1.Y3
CKE0_A: J5.196 U1.N4
CS0_A: J5.194 U1.N3
DBG_USB_N: D3.1 J4.2 U7.7
DBG_USB_P: D3.2 J4.3 U7.8
DMI_0A: J5.197 U1.M3
DMI_1A: J5.171 U1.W1
DONE: Q7.1 R57.2 U1.P6
DQ00_A: J5.203 U1.L1
DQ01_A: J5.205 U1.K2
DQ02_A: J5.207 U1.K1
DQ03_A: J5.209 U1.K3
DQ04_A: J5.187 U1.R1
DQ05_A: J5.189 U1.P2
DQ06_A: J5.191 U1.P1
DQ07_A: J5.193 U1.N2
DQ08_A: J5.169 U1.W2
DQ09_A: J5.167 U1.Y1
DQ10_A: J5.165 U1.AA1
DQ11_A: J5.163 U1.AB1
DQ12_A: J5.185 U1.R2
DQ13_A: J5.183 U1.T1
DQ14_A: J5.181 U1.T3
DQ15_A: J5.179 U1.U1
DQ_S0_CA: J5.199 U1.M1
DQ_S0_TA: J5.201 U1.M2
DQ_S1_CA: J5.173 U1.V2
DQ_S1_TA: J5.175 U1.U2
EMCCLK: EMCCLK1.1 U1.J19
ETH_INT_N: U1.C15 U6.38
ETH_MDC: U1.B17 U6.36
ETH_MDIO: R78.1 U1.C14 U6.37
ETH_REF_CLK: R76.1 R94.1 U1.C12 U6.41
ETH_RSTN: R79.1 U1.E16 U6.42
ETH_RX_CLK: R75.1 R93.1 U1.C17 U6.35
ETH_RX_DV: R74.1 R92.1 U1.A16 U6.33
ETH_RXD0: R70.1 R77.1 U1.B16 U6.32
ETH_RXD1: R71.1 R89.1 U1.A15 U6.31
ETH_RXD2: R72.1 R90.1 U1.B15 U6.28
ETH_RXD3: R73.1 R91.1 U1.A14 U6.27
ETH_TX_CLK: U1.E17 U6.24
ETH_TX_EN: U1.A13 U6.25
ETH_TXD0: U1.B21 U6.19
ETH_TXD1: U1.B20 U6.20
ETH_TXD2: U1.A19 U6.21
ETH_TXD3: U1.A18 U6.22
FCS_B: R14.1 R23.2 U1.L16
GCLK100: U1.L19 U2.3
HR_CKN: U1.AB16 U11.B1
HR_CKP: U1.AB15 U11.B2
HR_CS: R61.2 U1.AA16 U11.A3
HR_DQ0: U1.W15 U11.D3
HR_DQ1: U1.AA15 U11.D2
HR_DQ2: U1.AA14 U11.C4
HR_DQ3: U1.W14 U11.D4
HR_DQ4: U1.Y14 U11.D5
HR_DQ5: U1.V15 U11.E3
HR_DQ6: U1.Y16 U11.E2
HR_DQ7: U1.W17 U11.E1
HR_RST: R56.2 U1.V17 U11.A4
HR_RW: U1.Y17 U11.C3
INIT_B: Q8.1 R28.2 U1.L7
IO_AA11: J5.139 U1.AA11
IO_AB10: J5.143 U1.AB10
IO_AB11: J5.141 U1.AB11
IO_K4: J5.208
IO_M5: J5.198 U1.M5
IO_N5: J5.192 U1.N5
IO_P4: J5.186 U1.P4
IO_R4: J5.182 U1.R4
IO_T4: J5.180 U1.T4
IO_U3: J5.176 U1.U3
IO_U5: J5.178 U1.U5
IO_U12: J5.127 U1.U12
IO_V3: J5.172 U1.V3
IO_V4: J5.174 U1.V4
IO_V12: J5.129 U1.V12
IO_W4: J5.170 U1.W4
IO_W11: J5.135 U1.W11
IO_W12: J5.131 U1.W12
IO_Y11: J5.137 U1.Y11
IO_Y12: J5.133 U1.Y12
LED_LINK: J?1.12 R81.1 R96.1 U6.17
LED_SPD: J?1.14 R80.1 R95.1 U6.15
MODE0: R9.1 R11.1 U1.H7
MODE1: R12.1 R13.1 U1.H6
MODE2: MODE2.2 U1.J5
PROGRAM_B: PROG_B1.1 R32.2 U1.M6
PUDC_B: PUDC_B1.1 R10.2 R36.1 U1.K18
QSPI_DQ0: R59.2 U1.H18
QSPI_DQ1: R60.2 U1.H19
QSPI_DQ2: R22.2 R27.2 U1.G18
QSPI_DQ3: R21.2 R26.2 U1.F19
SD_CD: R131.2 R136.1 U1.B22
SD_CLK: J7.5 R134.2 U1.D22
SD_CMD: J7.3 R135.2 U1.C20
SD_DAT0: J7.7 R133.2 U1.D21
SD_DAT1: J7.8 R132.2 U1.C22
SD_DAT2: J7.1 R138.2 U1.D19
SD_DAT3: J7.2 R137.2 U1.D20
SYS_ON: IC1.10 R122.2 U10.2
TCK_JTAG: D4.13 J1.6 R18.2 U1.K7
TDI_JTAG: D4.8 J1.10 R19.2 U1.K6
TDO_JTAG: D4.9 J1.8 R20.2 U1.J6
TMDS_CLK_N: R139.1 U1.R22
TMDS_CLK_P: R140.1 U1.R21
TMDS_D0_N: R141.1 U1.P22
TMDS_D0_P: R142.1 U1.P21
TMDS_D1_N: R143.1 U1.K22
TMDS_D1_P: R144.1 U1.K21
TMDS_D2_N: R145.1 U1.J22
TMDS_D2_P: R146.1 U1.J21
TMS_JTAG: D4.14 J1.4 R25.2 U1.L6
UART0_RX: R6.2 U1.AA18
UART0_TX: R7.2 U1.AB18
UART1_RX: R8.2 U1.AB20
UART1_TX: R37.2 U1.AA20
USR_BTN1: R15.2 U1.E8 USR_BTN1.1
USR_BTN2: R16.2 U1.B8 USR_BTN2.1
USR_BTN3: R17.2 U1.C9 USR_BTN3.1
USR_BTN4: R29.2 U1.E9 USR_BTN4.1
USR_LED1: Q2.1 U1.F8
USR_LED2: Q4.1 U1.C8
USR_LED3: Q3.1 U1.A8
USR_LED4: Q5.1 U1.D9
USR_LED5: Q6.1 U1.F9
VREF_34: C114.1 C115.1 R65.2 R66.1 U1.L4 U1.Y4
VRN: R63.1 U1.K4
VRP: R64.1 U1.V5
Net-(C35-Pad1): C35.1 L2.1 U4.17
Net-(C35-Pad2): C35.2 R35.2
Net-(C36-Pad1): C36.1 U4.6
Net-(C38-Pad1): C38.1 R41.1 R42.2 U4.2
Net-(C45-Pad1): C45.1 L3.2 R44.2 R45.1
Net-(C45-Pad2): C45.2 R45.2 R46.1 U5.2
Net-(C96-Pad1): C96.1 C98.1 C99.1 L4.2 R47.2 R48.1
Net-(C98-Pad2): C98.2 R48.2 R49.1 U9.2
Net-(C100-Pad2): C100.2 U10.5
Net-(C147-Pad1): C147.1 R69.1 U6.45 Y1.1
Net-(C148-Pad1): C148.1 R69.2 U6.46 Y1.3
Net-(C150-Pad1): C150.1 C151.1 C152.1 L5.2 R83.1 R85.2
Net-(C150-Pad2): C150.2 R83.2 R84.1 U12.2
Net-(C172-Pad1): C172.1 R115.2
Net-(C174-Pad1): C174.1 IC1.4
Net-(C175-Pad1): C175.1 IC1.7 R115.1
Net-(C178-Pad1): C178.1 D2.C IC1.9 L6.1
Net-(C178-Pad2): C178.2 IC1.1
Net-(C184-Pad1): C184.1 C187.1 FB4.2 U7.9
Net-(C185-Pad1): C185.1 C189.1 FB5.2 U7.4
Net-(C190-Pad1): C190.1 U7.2 Y2.1
Net-(C193-Pad1): C193.1 U7.3 Y2.3
Net-(D1-Pad2): D1.2 R30.1
Net-(D4-Pad11): D4.11
Net-(D4-Pad12): D4.12
Net-(D5-Pad2): D5.2 R50.1
Net-(D6-Pad2): D6.2 R51.1
Net-(D7-Pad2): D7.2 R52.1
Net-(D8-Pad2): D8.2 R53.1
Net-(D9-Pad2): D9.2 R54.1
Net-(D10-Pad2): D10.2 R31.1
Net-(D11-PadA): D11.A J3.1
Net-(FB6-Pad2): FB6.2 J4.6
Net-(FB7-Pad1): FB7.1 J?1.Z1 J?1.Z2
Net-(IC1-Pad5): IC1.5 R116.2
Net-(IC1-Pad6): IC1.6 R127.2 R128.1
Net-(IC3-Pad14): IC3.14
Net-(J1-Pad12): J1.12
Net-(J1-Pad14): J1.14
Net-(J4-Pad4): J4.4
Net-(J5-Pad51): J5.51
Net-(J5-Pad52): J5.52
Net-(J5-Pad53): J5.53
Net-(J5-Pad54): J5.54
Net-(J5-Pad55): J5.55
Net-(J5-Pad56): J5.56
Net-(J5-Pad57): J5.57
Net-(J5-Pad58): J5.58
Net-(J5-Pad59): J5.59
Net-(J5-Pad60): J5.60
Net-(J5-Pad61): J5.61
Net-(J5-Pad62): J5.62
Net-(J5-Pad63): J5.63
Net-(J5-Pad64): J5.64
Net-(J5-Pad65): J5.65
Net-(J5-Pad66): J5.66
Net-(J5-Pad67): J5.67
Net-(J5-Pad68): J5.68
Net-(J5-Pad69): J5.69
Net-(J5-Pad70): J5.70
Net-(J5-Pad71): J5.71
Net-(J5-Pad72): J5.72
Net-(J5-Pad73): J5.73
Net-(J5-Pad74): J5.74
Net-(J5-Pad75): J5.75
Net-(J5-Pad76): J5.76
Net-(J5-Pad77): J5.77
Net-(J5-Pad78): J5.78
Net-(J5-Pad79): J5.79
Net-(J5-Pad80): J5.80
Net-(J5-Pad81): J5.81
Net-(J5-Pad82): J5.82
Net-(J5-Pad83): J5.83
Net-(J5-Pad84): J5.84
Net-(J5-Pad85): J5.85
Net-(J5-Pad86): J5.86
Net-(J5-Pad87): J5.87
Net-(J5-Pad88): J5.88
Net-(J5-Pad89): J5.89
Net-(J5-Pad90): J5.90
Net-(J5-Pad91): J5.91
Net-(J5-Pad92): J5.92
Net-(J5-Pad94): J5.94
Net-(J5-Pad96): J5.96
Net-(J5-Pad98): J5.98
Net-(J5-Pad100): J5.100
Net-(J5-Pad102): J5.102
Net-(J5-Pad104): J5.104
Net-(J5-Pad106): J5.106
Net-(J5-Pad108): J5.108
Net-(J5-Pad109): J5.109
Net-(J5-Pad110): J5.110
